# KiCad board protoboard-6x4-breakout.kicad_pcb (continued)
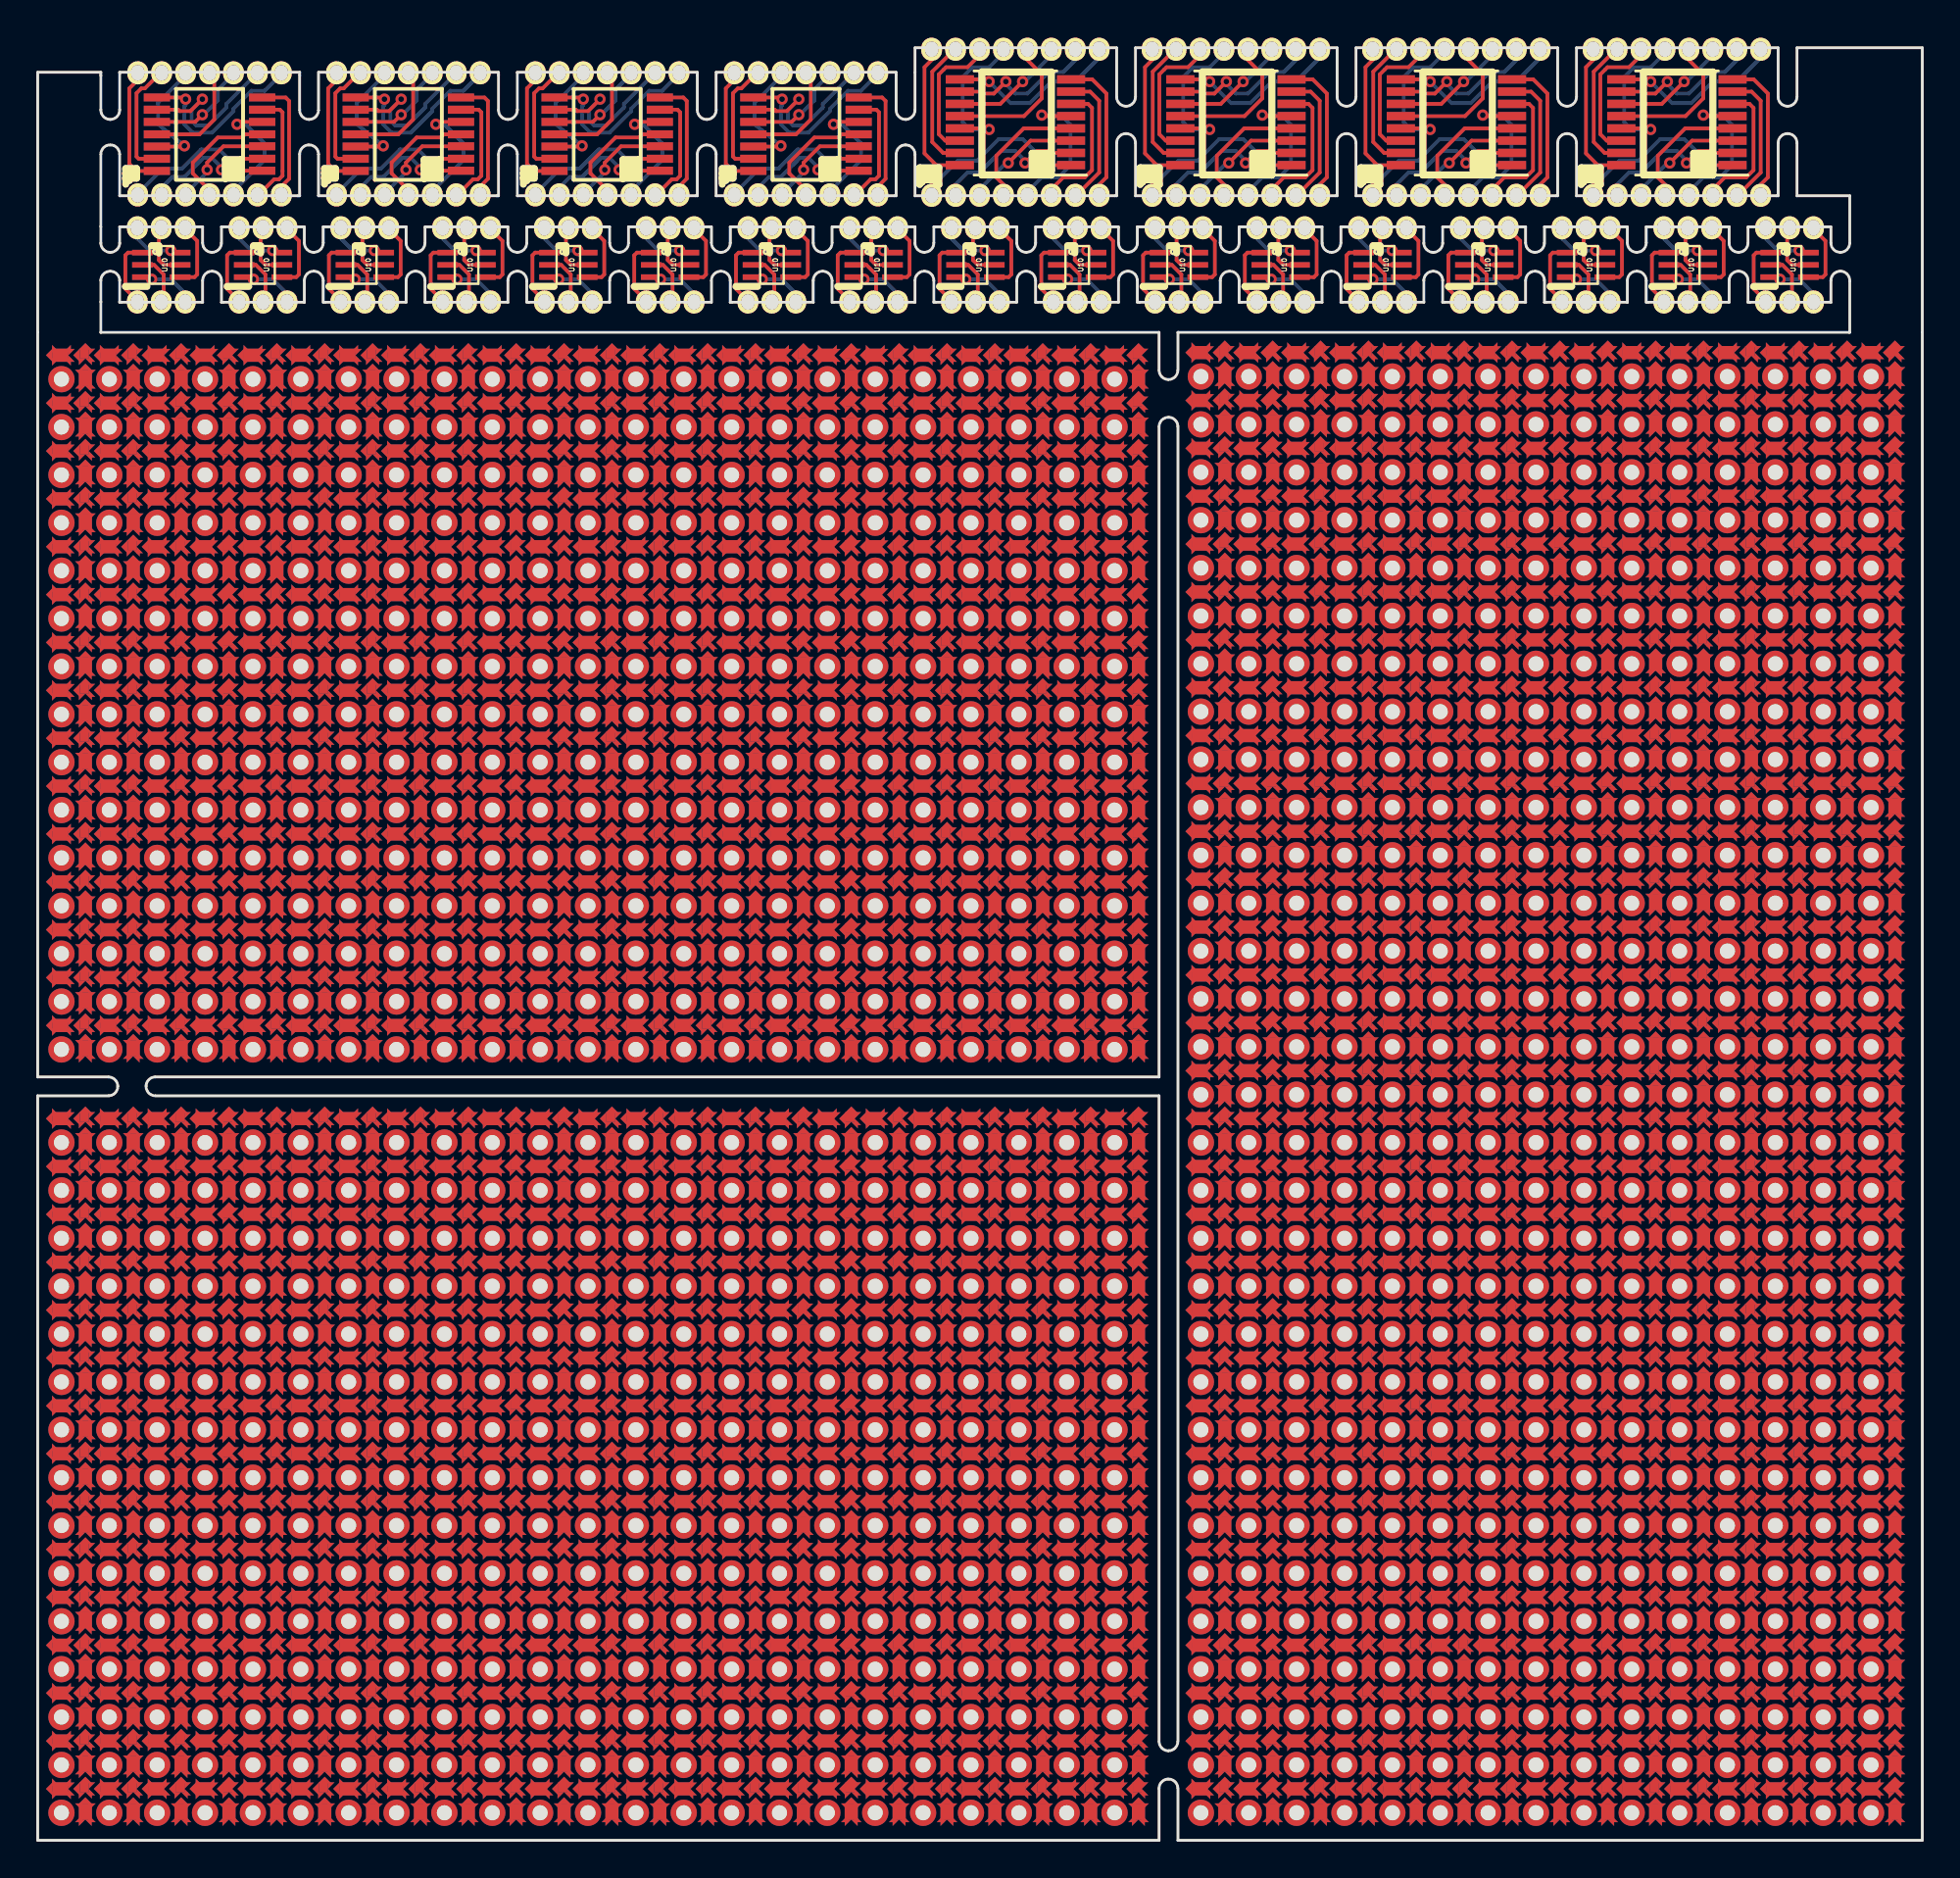
[diagram p0: board, top side]
## Nets (continued)
Pads without a net: REF** 1; REF**#2 1; REF**#3 1; REF**#4 1; REF**#5 1; REF**#6 1; REF**#7 1; REF**#8 1; REF**#9 1; REF**#10 1; REF**#11 1; REF**#12 1; REF**#13 1; REF**#14 1; REF**#15 1; REF**#16 1; REF**#17 1; REF**#18 1; REF**#19 1; REF**#20 1; REF**#21 1; REF**#22 1; REF**#23 1; REF**#24 1; REF**#25 1; REF**#26 1; REF**#27 1; REF**#28 1; REF**#29 1; REF**#30 1; REF**#31 1; REF**#32 1; REF**#33 1; REF**#34 1; REF**#35 1; REF**#36 1; REF**#37 1; REF**#38 1; REF**#39 1; REF**#40 1; REF**#41 1; REF**#42 1; REF**#43 1; REF**#44 1; REF**#45 1; REF**#46 1; REF**#47 1; REF**#48 1; REF**#49 1; REF**#50 1; REF**#51 1; REF**#52 1; REF**#53 1; REF**#54 1; REF**#55 1; REF**#56 1; REF**#57 1; REF**#58 1; REF**#59 1; REF**#60 1; REF**#61 1; REF**#62 1; REF**#63 1; REF**#64 1; REF**#65 1; REF**#66 1; REF**#67 1; REF**#68 1; REF**#69 1; REF**#70 1; REF**#71 1; REF**#72 1; REF**#73 1; REF**#74 1; REF**#75 1; REF**#76 1; REF**#77 1; REF**#78 1; REF**#79 1; REF**#80 1; REF**#81 1; REF**#82 1; REF**#83 1; REF**#84 1; REF**#85 1; REF**#86 1; REF**#87 1; REF**#88 1; REF**#89 1; REF**#90 1; REF**#91 1; REF**#92 1; REF**#93 1; REF**#94 1; REF**#95 1; REF**#96 1; REF**#97 1; REF**#98 1; REF**#99 1; REF**#100 1; REF**#101 1; REF**#102 1; REF**#103 1; REF**#104 1; REF**#105 1; REF**#106 1; REF**#107 1; REF**#108 1; REF**#109 1; REF**#110 1; REF**#111 1; REF**#112 1; REF**#113 1; REF**#114 1; REF**#115 1; REF**#116 1; REF**#117 1; REF**#118 1; REF**#119 1; REF**#120 1; REF**#121 1; REF**#122 1; REF**#123 1; REF**#124 1; REF**#125 1; REF**#126 1; REF**#127 1; REF**#128 1; REF**#129 1; REF**#130 1; REF**#131 1; REF**#132 1; REF**#133 1; REF**#134 1; REF**#135 1; REF**#136 1; REF**#137 1; REF**#138 1; REF**#139 1; REF**#140 1; REF**#141 1; REF**#142 1; REF**#143 1; REF**#144 1; REF**#145 1; REF**#146 1; REF**#147 1; REF**#148 1; REF**#149 1; REF**#150 1; REF**#151 1; REF**#152 1; REF**#153 1; REF**#154 1; REF**#155 1; REF**#156 1; REF**#157 1; REF**#158 1; REF**#159 1; REF**#160 1; REF**#161 1; REF**#162 1; REF**#163 1; REF**#164 1; REF**#165 1; REF**#166 1; REF**#167 1; REF**#168 1; REF**#169 1; REF**#170 1; REF**#171 1; REF**#172 1; REF**#173 1; REF**#174 1; REF**#175 1; REF**#176 1; REF**#177 1; REF**#178 1; REF**#179 1; REF**#180 1; REF**#181 1; REF**#182 1; REF**#183 1; REF**#184 1; REF**#185 1; REF**#186 1; REF**#187 1; REF**#188 1; REF**#189 1; REF**#190 1; REF**#191 1; REF**#192 1; REF**#193 1; REF**#194 1; REF**#195 1; REF**#196 1; REF**#197 1; REF**#198 1; REF**#199 1; REF**#200 1; REF**#201 1; REF**#202 1; REF**#203 1; REF**#204 1; REF**#205 1; REF**#206 1; REF**#207 1; REF**#208 1; REF**#209 1; REF**#210 1; REF**#211 1; REF**#212 1; REF**#213 1; REF**#214 1; REF**#215 1; REF**#216 1; REF**#217 1; REF**#218 1; REF**#219 1; REF**#220 1; REF**#221 1; REF**#222 1; REF**#223 1; REF**#224 1; REF**#225 1; REF**#226 1; REF**#227 1; REF**#228 1; REF**#229 1; REF**#230 1; REF**#231 1; REF**#232 1; REF**#233 1; REF**#234 1; REF**#235 1; REF**#236 1; REF**#237 1; REF**#238 1; REF**#239 1; REF**#240 1; REF**#241 1; REF**#242 1; REF**#243 1; REF**#244 1; REF**#245 1; REF**#246 1; REF**#247 1; REF**#248 1; REF**#249 1; REF**#250 1; REF**#251 1; REF**#252 1; REF**#253 1; REF**#254 1; REF**#255 1; REF**#256 1; REF**#257 1; REF**#258 1; REF**#259 1; REF**#260 1; REF**#261 1; REF**#262 1; REF**#263 1; REF**#264 1; REF**#265 1; REF**#266 1; REF**#267 1; REF**#268 1; REF**#269 1; REF**#270 1; REF**#271 1; REF**#272 1; REF**#273 1; REF**#274 1; REF**#275 1; REF**#276 1; REF**#277 1; REF**#278 1; REF**#279 1; REF**#280 1; REF**#281 1; REF**#282 1; REF**#283 1; REF**#284 1; REF**#285 1; REF**#286 1; REF**#287 1; REF**#288 1; REF**#289 1; REF**#290 1; REF**#291 1; REF**#292 1; REF**#293 1; REF**#294 1; REF**#295 1; REF**#296 1; REF**#297 1; REF**#298 1; REF**#299 1; REF**#300 1; REF**#301 1; REF**#302 1; REF**#303 1; REF**#304 1; REF**#305 1; REF**#306 1; REF**#307 1; REF**#308 1; REF**#309 1; REF**#310 1; REF**#311 1; REF**#312 1; REF**#313 1; REF**#314 1; REF**#315 1; REF**#316 1; REF**#317 1; REF**#318 1; REF**#319 1; REF**#320 1; REF**#321 1; REF**#322 1; REF**#323 1; REF**#324 1; REF**#325 1; REF**#326 1; REF**#327 1; REF**#328 1; REF**#329 1; REF**#330 1; REF**#331 1; REF**#332 1; REF**#333 1; REF**#334 1; REF**#335 1; REF**#336 1; REF**#337 1; REF**#338 1; REF**#339 1; REF**#340 1; REF**#341 1; REF**#342 1; REF**#343 1; REF**#344 1; REF**#345 1; REF**#346 1; REF**#347 1; REF**#348 1; REF**#349 1; REF**#350 1; REF**#351 1; REF**#352 1; REF**#353 1; REF**#354 1; REF**#355 1; REF**#356 1; REF**#357 1; REF**#358 1; REF**#359 1; REF**#360 1; REF**#361 1; REF**#362 1; REF**#363 1; REF**#364 1; REF**#365 1; REF**#366 1; REF**#367 1; REF**#368 1; REF**#369 1; REF**#370 1; REF**#371 1; REF**#372 1; REF**#373 1; REF**#374 1; REF**#375 1; REF**#376 1; REF**#377 1; REF**#378 1; REF**#379 1; REF**#380 1; REF**#381 1; REF**#382 1; REF**#383 1; REF**#384 1; REF**#385 1; REF**#386 1; REF**#387 1; REF**#388 1; REF**#389 1; REF**#390 1; REF**#391 1; REF**#392 1; REF**#393 1; REF**#394 1; REF**#395 1; REF**#396 1; REF**#397 1; REF**#398 1; REF**#399 1; REF**#400 1; REF**#401 1; REF**#402 1; REF**#403 1; REF**#404 1; REF**#405 1; REF**#406 1; REF**#407 1; REF**#408 1; REF**#409 1; REF**#410 1; REF**#411 1; REF**#412 1; REF**#413 1; REF**#414 1; REF**#415 1; REF**#416 1; REF**#417 1; REF**#418 1; REF**#419 1; REF**#420 1; REF**#421 1; REF**#422 1; REF**#423 1; REF**#424 1; REF**#425 1; REF**#426 1; REF**#427 1; REF**#428 1; REF**#429 1; REF**#430 1; REF**#431 1; REF**#432 1; REF**#433 1; REF**#434 1; REF**#435 1; REF**#436 1; REF**#437 1; REF**#438 1; REF**#439 1; REF**#440 1; REF**#441 1; REF**#442 1; REF**#443 1; REF**#444 1; REF**#445 1; REF**#446 1; REF**#447 1; REF**#448 1; REF**#449 1; REF**#450 1; REF**#451 1; REF**#452 1; REF**#453 1; REF**#454 1; REF**#455 1; REF**#456 1; REF**#457 1; REF**#458 1; REF**#459 1; REF**#460 1; REF**#461 1; REF**#462 1; REF**#463 1; REF**#464 1; REF**#465 1; REF**#466 1; REF**#467 1; REF**#468 1; REF**#469 1; REF**#470 1; REF**#471 1; REF**#472 1; REF**#473 1; REF**#474 1; REF**#475 1; REF**#476 1; REF**#477 1; REF**#478 1; REF**#479 1; REF**#480 1; REF**#481 1; REF**#482 1; REF**#483 1; REF**#484 1; REF**#485 1; REF**#486 1; REF**#487 1; REF**#488 1; REF**#489 1; REF**#490 1; REF**#491 1; REF**#492 1; REF**#493 1; REF**#494 1; REF**#495 1; REF**#496 1; REF**#497 1; REF**#498 1; REF**#499 1; REF**#500 1; REF**#501 1; REF**#502 1; REF**#503 1; REF**#504 1; REF**#505 1; REF**#506 1; REF**#507 1; REF**#508 1; REF**#509 1; REF**#510 1; REF**#511 1; REF**#512 1; REF**#513 1; REF**#514 1; REF**#515 1; REF**#516 1; REF**#517 1; REF**#518 1; REF**#519 1; REF**#520 1; REF**#521 1; REF**#522 1; REF**#523 1; REF**#524 1; REF**#525 1; REF**#526 1; REF**#527 1; REF**#528 1; REF**#529 1; REF**#530 1; REF**#531 1; REF**#532 1; REF**#533 1; REF**#534 1; REF**#535 1; REF**#536 1; REF**#537 1; REF**#538 1; REF**#539 1; REF**#540 1; REF**#541 1; REF**#542 1; REF**#543 1; REF**#544 1; REF**#545 1; REF**#546 1; REF**#547 1; REF**#548 1; REF**#549 1; REF**#550 1; REF**#551 1; REF**#552 1; REF**#553 1; REF**#554 1; REF**#555 1; REF**#556 1; REF**#557 1; REF**#558 1; REF**#559 1; REF**#560 1; REF**#561 1; REF**#562 1; REF**#563 1; REF**#564 1; REF**#565 1; REF**#566 1; REF**#567 1; REF**#568 1; REF**#569 1; REF**#570 1; REF**#571 1; REF**#572 1; REF**#573 1; REF**#574 1; REF**#575 1; REF**#576 1; REF**#577 1; REF**#578 1; REF**#579 1; REF**#580 1; REF**#581 1; REF**#582 1; REF**#583 1; REF**#584 1; REF**#585 1; REF**#586 1; REF**#587 1; REF**#588 1; REF**#589 1; REF**#590 1; REF**#591 1; REF**#592 1; REF**#593 1; REF**#594 1; REF**#595 1; REF**#596 1; REF**#597 1; REF**#598 1; REF**#599 1; REF**#600 1; REF**#601 1; REF**#602 1; REF**#603 1; REF**#604 1; REF**#605 1; REF**#606 1; REF**#607 1; REF**#608 1; REF**#609 1; REF**#610 1; REF**#611 1; REF**#612 1; REF**#613 1; REF**#614 1; REF**#615 1; REF**#616 1; REF**#617 1; REF**#618 1; REF**#619 1; REF**#620 1; REF**#621 1; REF**#622 1; REF**#623 1; REF**#624 1; REF**#625 1; REF**#626 1; REF**#627 1; REF**#628 1; REF**#629 1; REF**#630 1; REF**#631 1; REF**#632 1; REF**#633 1; REF**#634 1; REF**#635 1; REF**#636 1; REF**#637 1; REF**#638 1; REF**#639 1; REF**#640 1; REF**#641 1; REF**#642 1; REF**#643 1; REF**#644 1; REF**#645 1; REF**#646 1; REF**#647 1; REF**#648 1; REF**#649 1; REF**#650 1; REF**#651 1; REF**#652 1; REF**#653 1; REF**#654 1; REF**#655 1; REF**#656 1; REF**#657 1; REF**#658 1; REF**#659 1; REF**#660 1; REF**#661 1; REF**#662 1; REF**#663 1; REF**#664 1; REF**#665 1; REF**#666 1; REF**#667 1; REF**#668 1; REF**#669 1; REF**#670 1; REF**#671 1; REF**#672 1; REF**#673 1; REF**#674 1; REF**#675 1; REF**#676 1; REF**#677 1; REF**#678 1; REF**#679 1; REF**#680 1; REF**#681 1; REF**#682 1; REF**#683 1; REF**#684 1; REF**#685 1; REF**#686 1; REF**#687 1; REF**#688 1; REF**#689 1; REF**#690 1; REF**#691 1; REF**#692 1; REF**#693 1; REF**#694 1; REF**#695 1; REF**#696 1; REF**#697 1; REF**#698 1; REF**#699 1; REF**#700 1; REF**#701 1; REF**#702 1; REF**#703 1; REF**#704 1; REF**#705 1; REF**#706 1; REF**#707 1; REF**#708 1; REF**#709 1; REF**#710 1; REF**#711 1; REF**#712 1; REF**#713 1; REF**#714 1; REF**#715 1; REF**#716 1; REF**#717 1; REF**#718 1; REF**#719 1; REF**#720 1; REF**#721 1; REF**#722 1; REF**#723 1; REF**#724 1; REF**#725 1; REF**#726 1; REF**#727 1; REF**#728 1; REF**#729 1; REF**#730 1; REF**#731 1; REF**#732 1; REF**#733 1; REF**#734 1; REF**#735 1; REF**#736 1; REF**#737 1; REF**#738 1; REF**#739 1; REF**#740 1; REF**#741 1; REF**#742 1; REF**#743 1; REF**#744 1; REF**#745 1; REF**#746 1; REF**#747 1; REF**#748 1; REF**#749 1; REF**#750 1; REF**#751 1; REF**#752 1; REF**#753 1; REF**#754 1; REF**#755 1; REF**#756 1; REF**#757 1; REF**#758 1; REF**#759 1; REF**#760 1; REF**#761 1; REF**#762 1; REF**#763 1; REF**#764 1; REF**#765 1; REF**#766 1; REF**#767 1; REF**#768 1; REF**#769 1; REF**#770 1; REF**#771 1; REF**#772 1; REF**#773 1; REF**#774 1; REF**#775 1; REF**#776 1; REF**#777 1; REF**#778 1; REF**#779 1; REF**#780 1; REF**#781 1; REF**#782 1; REF**#783 1; REF**#784 1; REF**#785 1; REF**#786 1; REF**#787 1; REF**#788 1; REF**#789 1; REF**#790 1; REF**#791 1; REF**#792 1; REF**#793 1; REF**#794 1; REF**#795 1; REF**#796 1; REF**#797 1; REF**#798 1; REF**#799 1; REF**#800 1; REF**#801 1; REF**#802 1; REF**#803 1; REF**#804 1; REF**#805 1; REF**#806 1; REF**#807 1; REF**#808 1; REF**#809 1; REF**#810 1; REF**#811 1; REF**#812 1; REF**#813 1; REF**#814 1; REF**#815 1; REF**#816 1; REF**#817 1; REF**#818 1; REF**#819 1; REF**#820 1; REF**#821 1; REF**#822 1; REF**#823 1; REF**#824 1; REF**#825 1; REF**#826 1; REF**#827 1; REF**#828 1; REF**#829 1; REF**#830 1; REF**#831 1; REF**#832 1; REF**#833 1; REF**#834 1; REF**#835 1; REF**#836 1; REF**#837 1; REF**#838 1; REF**#839 1; REF**#840 1; REF**#841 1; REF**#842 1; REF**#843 1; REF**#844 1; REF**#845 1; REF**#846 1; REF**#847 1; REF**#848 1; REF**#849 1; REF**#850 1; REF**#851 1; REF**#852 1; REF**#853 1; REF**#854 1; REF**#855 1; REF**#856 1; REF**#857 1; REF**#858 1; REF**#859 1; REF**#860 1; REF**#861 1; REF**#862 1; REF**#863 1; REF**#864 1; REF**#865 1; REF**#866 1; REF**#867 1; REF**#868 1; REF**#869 1; REF**#870 1; REF**#871 1; REF**#872 1; REF**#873 1; REF**#874 1; REF**#875 1; REF**#876 1; REF**#877 1; REF**#878 1; REF**#879 1; REF**#880 1; REF**#881 1; REF**#882 1; REF**#883 1; REF**#884 1; REF**#885 1; REF**#886 1; REF**#887 1; REF**#888 1; REF**#889 1; REF**#890 1; REF**#891 1; REF**#892 1; REF**#893 1; REF**#894 1; REF**#895 1; REF**#896 1; REF**#897 1; REF**#898 1; REF**#899 1; REF**#900 1; REF**#901 1; REF**#902 1; REF**#903 1; REF**#904 1; REF**#905 1; REF**#906 1; REF**#907 1; REF**#908 1; REF**#909 1; REF**#910 1; REF**#911 1; REF**#912 1; REF**#913 1; REF**#914 1; REF**#915 1; REF**#916 1; REF**#917 1; REF**#918 1; REF**#919 1; REF**#920 1; REF**#921 1; REF**#922 1; REF**#923 1; REF**#924 1; REF**#925 1; REF**#926 1; REF**#927 1; REF**#928 1; REF**#929 1; REF**#930 1; REF**#931 1; REF**#932 1; REF**#933 1; REF**#934 1; REF**#935 1; REF**#936 1; REF**#937 1; REF**#938 1; REF**#939 1; REF**#940 1; REF**#941 1; REF**#942 1; REF**#943 1; REF**#944 1; REF**#945 1; REF**#946 1; REF**#947 1; REF**#948 1; REF**#949 1; REF**#950 1; REF**#951 1; REF**#952 1; REF**#953 1; REF**#954 1; REF**#955 1; REF**#956 1; REF**#957 1; REF**#958 1; REF**#959 1; REF**#960 1; REF**#961 1; REF**#962 1; REF**#963 1; REF**#964 1; REF**#965 1; REF**#966 1; REF**#967 1; REF**#968 1; REF**#969 1; REF**#970 1; REF**#971 1; REF**#972 1; REF**#973 1; REF**#974 1; REF**#975 1; REF**#976 1; REF**#977 1; REF**#978 1; REF**#979 1; REF**#980 1; REF**#981 1; REF**#982 1; REF**#983 1; REF**#984 1; REF**#985 1; REF**#986 1; REF**#987 1; REF**#988 1; REF**#989 1; REF**#990 1; REF**#991 1; REF**#992 1; REF**#993 1; REF**#994 1; REF**#995 1; REF**#996 1; REF**#997 1; REF**#998 1; REF**#999 1; REF**#1000 1; REF**#1001 1; REF**#1002 1; REF**#1003 1; REF**#1004 1; REF**#1005 1; REF**#1006 1; REF**#1007 1; REF**#1008 1; REF**#1009 1; REF**#1010 1; REF**#1011 1; REF**#1012 1; REF**#1013 1; REF**#1014 1; REF**#1015 1; REF**#1016 1; REF**#1017 1; REF**#1018 1; REF**#1019 1; REF**#1020 1; REF**#1021 1; REF**#1022 1; REF**#1023 1; REF**#1024 1; REF**#1025 1; REF**#1026 1; REF**#1027 1; REF**#1028 1; REF**#1029 1; REF**#1030 1; REF**#1031 1; REF**#1032 1; REF**#1033 1; REF**#1034 1; REF**#1035 1; REF**#1036 1; REF**#1037 1; REF**#1038 1; REF**#1039 1; REF**#1040 1; REF**#1041 1; REF**#1042 1; REF**#1043 1; REF**#1044 1; REF**#1045 1; REF**#1046 1; REF**#1047 1; REF**#1048 1; REF**#1049 1; REF**#1050 1; REF**#1051 1; REF**#1052 1; REF**#1053 1; REF**#1054 1; REF**#1055 1; REF**#1056 1; REF**#1057 1; REF**#1058 1; REF**#1059 1; REF**#1060 1; REF**#1061 1; REF**#1062 1; REF**#1063 1; REF**#1064 1; REF**#1065 1; REF**#1066 1; REF**#1067 1; REF**#1068 1; REF**#1069 1; REF**#1070 1; REF**#1071 1; REF**#1072 1; REF**#1073 1; REF**#1074 1; REF**#1075 1; REF**#1076 1; REF**#1077 1; REF**#1078 1; REF**#1079 1; REF**#1080 1; REF**#1081 1; REF**#1082 1; REF**#1083 1; REF**#1084 1; REF**#1085 1; REF**#1086 1; REF**#1087 1; REF**#1088 1; REF**#1089 1; REF**#1090 1; REF**#1091 1; REF**#1092 1; REF**#1093 1; REF**#1094 1; REF**#1095 1; REF**#1096 1; REF**#1097 1; REF**#1098 1; REF**#1099 1; REF**#1100 1; REF**#1101 1; REF**#1102 1; REF**#1103 1; REF**#1104 1; REF**#1105 1; REF**#1106 1; REF**#1107 1; REF**#1108 1; REF**#1109 1; REF**#1110 1; REF**#1111 1; REF**#1112 1; REF**#1113 1; REF**#1114 1; REF**#1115 1; REF**#1116 1; REF**#1117 1; REF**#1118 1; REF**#1119 1; REF**#1120 1; REF**#1121 1; REF**#1122 1; REF**#1123 1; REF**#1124 1; REF**#1125 1; REF**#1126 1; REF**#1127 1; REF**#1128 1; REF**#1129 1; REF**#1130 1; REF**#1131 1; REF**#1132 1; REF**#1133 1; REF**#1134 1; REF**#1135 1; REF**#1136 1; REF**#1137 1; REF**#1138 1; REF**#1139 1; REF**#1140 1; REF**#1141 1; REF**#1142 1; REF**#1143 1; REF**#1144 1; REF**#1145 1; REF**#1146 1; REF**#1147 1; REF**#1148 1; REF**#1149 1; REF**#1150 1; REF**#1151 1; REF**#1152 1; REF**#1153 1; REF**#1154 1; REF**#1155 1; REF**#1156 1; REF**#1157 1; REF**#1158 1; REF**#1159 1; REF**#1160 1; REF**#1161 1; REF**#1162 1; REF**#1163 1; REF**#1164 1; REF**#1165 1; REF**#1166 1; REF**#1167 1; REF**#1168 1; REF**#1169 1; REF**#1170 1; REF**#1171 1; REF**#1172 1; REF**#1173 1; REF**#1174 1; REF**#1175 1; REF**#1176 1; REF**#1177 1; REF**#1178 1; REF**#1179 1; REF**#1180 1; REF**#1181 1; REF**#1182 1; REF**#1183 1; REF**#1184 1; REF**#1185 1; REF**#1186 1; REF**#1187 1; REF**#1188 1; REF**#1189 1; REF**#1190 1; REF**#1191 1; REF**#1192 1; REF**#1193 1; REF**#1194 1; REF**#1195 1; REF**#1196 1; REF**#1197 1; REF**#1198 1; REF**#1199 1; REF**#1200 1; REF**#1201 1; REF**#1202 1; REF**#1203 1; REF**#1204 1; REF**#1205 1; REF**#1206 1; REF**#1207 1; REF**#1208 1; REF**#1209 1; REF**#1210 1; REF**#1211 1; REF**#1212 1; REF**#1213 1; REF**#1214 1; REF**#1215 1; REF**#1216 1; REF**#1217 1; REF**#1218 1; REF**#1219 1; REF**#1220 1; REF**#1221 1; REF**#1222 1; REF**#1223 1; REF**#1224 1; REF**#1225 1; REF**#1226 1; REF**#1227 1; REF**#1228 1; REF**#1229 1; REF**#1230 1; REF**#1231 1; REF**#1232 1; REF**#1233 1; REF**#1234 1; REF**#1235 1; REF**#1236 1; REF**#1237 1; REF**#1238 1; REF**#1239 1; REF**#1240 1; REF**#1241 1; REF**#1242 1; REF**#1243 1; REF**#1244 1; REF**#1245 1; REF**#1246 1; REF**#1247 1; REF**#1248 1; REF**#1249 1; REF**#1250 1; REF**#1251 1; REF**#1252 1; REF**#1253 1; REF**#1254 1; REF**#1255 1; REF**#1256 1; REF**#1257 1; REF**#1258 1; REF**#1259 1; REF**#1260 1; REF**#1261 1; REF**#1262 1; REF**#1263 1; REF**#1264 1; REF**#1265 1; REF**#1266 1; REF**#1267 1; REF**#1268 1; REF**#1269 1; REF**#1270 1; REF**#1271 1; REF**#1272 1; REF**#1273 1; REF**#1274 1; REF**#1275 1; REF**#1276 1; REF**#1277 1; REF**#1278 1; REF**#1279 1; REF**#1280 1; REF**#1281 1; REF**#1282 1; REF**#1283 1; REF**#1284 1; REF**#1285 1; REF**#1286 1; REF**#1287 1; REF**#1288 1; REF**#1289 1; REF**#1290 1; REF**#1291 1; REF**#1292 1; REF**#1293 1; REF**#1294 1; REF**#1295 1; REF**#1296 1; REF**#1297 1; REF**#1298 1; REF**#1299 1; REF**#1300 1; REF**#1301 1; REF**#1302 1; REF**#1303 1; REF**#1304 1; REF**#1305 1; REF**#1306 1; REF**#1307 1; REF**#1308 1; REF**#1309 1; REF**#1310 1; REF**#1311 1; REF**#1312 1; REF**#1313 1; REF**#1314 1; REF**#1315 1; REF**#1316 1; REF**#1317 1; REF**#1318 1; REF**#1319 1; REF**#1320 1; REF**#1321 1; REF**#1322 1; REF**#1323 1; REF**#1324 1; REF**#1325 1; REF**#1326 1; REF**#1327 1; REF**#1328 1; REF**#1329 1; REF**#1330 1; REF**#1331 1; REF**#1332 1; REF**#1333 1; REF**#1334 1; REF**#1335 1; REF**#1336 1; REF**#1337 1; REF**#1338 1; REF**#1339 1; REF**#1340 1; REF**#1341 1; REF**#1342 1; REF**#1343 1; REF**#1344 1; REF**#1345 1; REF**#1346 1; REF**#1347 1; REF**#1348 1; REF**#1349 1; REF**#1350 1; REF**#1351 1; REF**#1352 1; REF**#1353 1; REF**#1354 1; REF**#1355 1; REF**#1356 1; REF**#1357 1; REF**#1358 1; REF**#1359 1; REF**#1360 1; REF**#1361 1; REF**#1362 1; REF**#1363 1; REF**#1364 1; REF**#1365 1; REF**#1366 1; REF**#1367 1; REF**#1368 1; REF**#1369 1; REF**#1370 1; REF**#1371 1; REF**#1372 1; REF**#1373 1; REF**#1374 1; REF**#1375 1; REF**#1376 1; REF**#1377 1; REF**#1378 1; REF**#1379 1; REF**#1380 1; REF**#1381 1; REF**#1382 1; REF**#1383 1; REF**#1384 1; REF**#1385 1; REF**#1386 1; REF**#1387 1; REF**#1388 1; REF**#1389 1; REF**#1390 1; REF**#1391 1; REF**#1392 1; REF**#1393 1; REF**#1394 1; REF**#1395 1; REF**#1396 1; REF**#1397 1; REF**#1398 1; REF**#1399 1; REF**#1400 1; REF**#1401 1; REF**#1402 1; REF**#1403 1; REF**#1404 1; REF**#1405 1; REF**#1406 1; REF**#1407 1; REF**#1408 1; REF**#1409 1; REF**#1410 1; REF**#1411 1; REF**#1412 1; REF**#1413 1; REF**#1414 1; REF**#1415 1; REF**#1416 1; REF**#1417 1; REF**#1418 1; REF**#1419 1; REF**#1420 1; REF**#1421 1; REF**#1422 1; REF**#1423 1; REF**#1424 1; REF**#1425 1; REF**#1426 1; REF**#1427 1; REF**#1428 1; REF**#1429 1; REF**#1430 1; REF**#1431 1; REF**#1432 1; REF**#1433 1; REF**#1434 1; REF**#1435 1; REF**#1436 1; REF**#1437 1; REF**#1438 1; REF**#1439 1; REF**#1440 1; REF**#1441 1; REF**#1442 1; REF**#1443 1; REF**#1444 1; REF**#1445 1; REF**#1446 1; REF**#1447 1; REF**#1448 1; REF**#1449 1; REF**#1450 1; REF**#1451 1; REF**#1452 1; REF**#1453 1; REF**#1454 1; REF**#1455 1; REF**#1456 1; REF**#1457 1; REF**#1458 1; REF**#1459 1; REF**#1460 1; REF**#1461 1; REF**#1462 1; REF**#1463 1; REF**#1464 1; REF**#1465 1; REF**#1466 1; REF**#1467 1; REF**#1468 1; REF**#1469 1; REF**#1470 1; REF**#1471 1; REF**#1472 1; REF**#1473 1; REF**#1474 1; REF**#1475 1; REF**#1476 1; REF**#1477 1; REF**#1478 1; REF**#1479 1; REF**#1480 1; REF**#1481 1; REF**#1482 1; REF**#1483 1; REF**#1484 1; REF**#1485 1; REF**#1486 1; REF**#1487 1; REF**#1488 1; REF**#1489 1; REF**#1490 1; REF**#1491 1; REF**#1492 1; REF**#1493 1; REF**#1494 1; REF**#1495 1; REF**#1496 1; REF**#1497 1; REF**#1498 1; REF**#1499 1; REF**#1500 1; REF**#1501 1; REF**#1502 1; REF**#1503 1; REF**#1504 1; REF**#1505 1; REF**#1506 1; REF**#1507 